# Altium PCB PCB1.PcbDoc
Units mil, origin at the board's own origin, x right, y up, seen from the top; angles counter-clockwise.
Board outline 6000 x 4000 mil, 4 copper layers (Top Layer, GND, PWR, Bottom Layer), stack 68.378 mil thick; 74 components, 116 nets, 581 pads, 0 vias.
Unrouted connection lines stored in the file: 315.
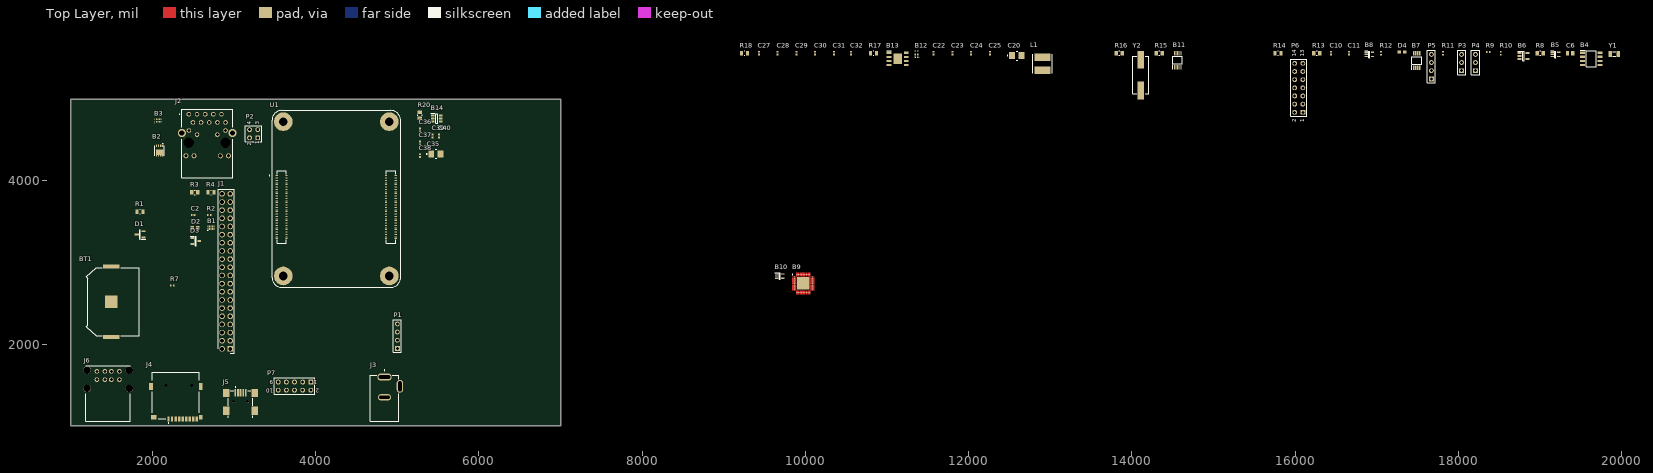
[diagram p0: Top Layer view]
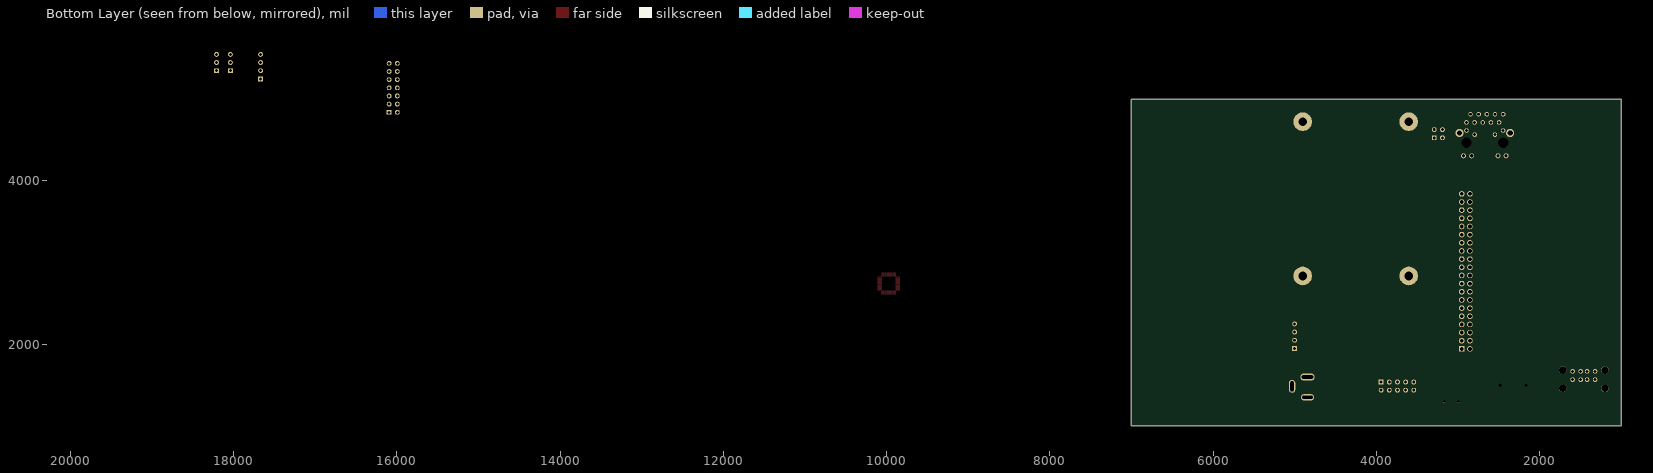
[diagram p1: Bottom Layer view, seen from below]

## Layer stack, top to bottom
Top Solder: solder mask 0.4, Solder Resist, Dk 3.5
Top Layer: signal copper 1.4
Dielectric 2: prepreg 7.1, PP-017, Dk 4.16
GND: signal copper 0.689
Dielectric 1: core 50, Core-022, Dk 4.1
PWR: signal copper 0.689
Dielectric 3: prepreg 7.1, PP-017, Dk 4.16
Bottom Layer: signal copper 1.4
Bottom Solder: solder mask 0.4, Solder Resist, Dk 3.5

## Board outline
1000,1000 7000,1000 7000,5000 1000,5000

## Design rules (kind name [scope] priority, off if disabled: settings)
Clearance [All] p1: gap=7 ignorepadtopadclearanceinfootprint=TRUE
PolygonConnect [All] p1: connectstyle=Relief reliefconductorwidth=10 reliefentries=4 polygonreliefangle="90 Angle" airgapwidth=10
RoutingVias [All] p1: holewidth=12 width=25 viastyle="Through Hole" minholewidth=12 minwidth=25 maxholewidth=12 maxwidth=25
SolderMaskExpansion [All] p1: expansion=0 istentingtop=FALSE
SupplyNets "Schematic Supply Nets" [InNet('5 V')] p1: voltage=0.000
Width [All] p1: maxlimit=12.61 minlimit=8.8 preferedwidth=12.83 toplayer_minwidth=12.61 midlayer1_maxwidth=8.8 midlayer1_prefwidth=9.91 midlayer2_maxwidth=8.8 midlayer2_prefwidth=9.91 bottomlayer_minwidth=12.61 impedanceprofiledriven=TRUE impedanceprofileid={C85D5BF1-4168-4FEC-96EB-73B0E926272F} minimp=50.000000 maximp=50.000000 favimp=50.000000
30 further rules are at their usual default settings.

## Components (designator, comment, footprint, x,y, rotation, side; value= is the part's Value field where it differs from the comment)
B1 "TPD4EUSB30DQAR" DQA(R-PUSON-N10) 2716.54,3425.2 r0 top
B2 "DMP3013SFV-7" DMP3036SFV7 2086.61,4370.08 r180 top
B3 "TPD4EUSB30DQAR" DQA(R-PUSON-N10) 2066.93,4739.57 r0 top
B4 "PCF85063AT_AAZ" SOIC127P600X175-8N 19630,5495 r0 top
B5 "74LVC1G07SE-7" SOT65P210X110-5N 19190,5550 r0 top
B6 "RT9742GGJ5" SOT94P280X100-5N 18800,5530 r0 top
B7 "EMC2301-1-ACZL-TR" SOP65P490X110-8N 17490,5475 r90 top
B8 "74LVC1G07SE-7" SOT65P210X110-5N 16910,5550 r0 top
B9 "USB2514B-I_M2" QFN50P600X600X100-37N-D 9973.82,2743.46 r0 top
B10 "74LVC1G07SE-7" SOT65P210X110-5N 9683.82,2833.46 r0 top
B11 "FSUSB42MUX" SOP50P490X110-10N 14560,5480 r90 top
B12 "TPD4EUSB30DQAR" DQA(R-PUSON-N10) 11360,5550 r90 top
B13 "AP64501SP-13" SOIC127P600X163-9N 11130,5495 r0 top
B14 "AP22653W6-7" SOT95P280X145-6N 5482.28,4763.78 r0 top
BT1 "3034" BAT_3034 1496.06,2519.68 r90 top
C2 "10  u" CAPC1005X55N 2497.52,3582.68 r0 top
C6 "10 u" CAPC2012X145N 19370,5565 r0 top
C10 "10  u" CAPC1005X55N 16440,5565 r90 top
C11 "10  u" CAPC1005X55N 16660,5565 r90 top
C20 "100 uf  6.3 V" CAPMP3528X210N 12590,5535 r0 top
C22 "10  u" CAPC1005X55N 11570,5565 r90 top
C23 "10  u" CAPC1005X55N 11800,5565 r90 top
C24 "10  u" CAPC1005X55N 12030,5565 r90 top
C25 "10  u" CAPC1005X55N 12260,5565 r90 top
C27 "10  u" CAPC1005X55N 9430,5565 r90 top
C28 "10  u" CAPC1005X55N 9660,5565 r90 top
C29 "10  u" CAPC1005X55N 9890,5565 r90 top
C30 "10  u" CAPC1005X55N 10120,5565 r90 top
C31 "10  u" CAPC1005X55N 10350,5565 r90 top
C32 "10  u" CAPC1005X55N 10560,5565 r90 top
C35 "100 uf  6.3 V" CAPMP3528X210N 5472.44,4330.71 r0 top
C36 "10  u" CAPC1005X55N 5275.59,4623.5 r90 top
C37 "10  u" CAPC1005X55N 5275.59,4466.02 r90 top
C38 "10  u" CAPC1005X55N 5275.59,4308.54 r90 top
C39 "10  u" CAPC1005X55N 5433.07,4549.72 r270 top
C40 "10  u" CAPC1005X55N 5511.81,4549.72 r270 top
D1 "MMBZ5242BLT3G" SOT96P237X111-3N 1848.43,3344.68 r180 top
D2 "green led" 0603 2519.68,3425.2 r0 top
D3 "BAT54C-7-F" SOT96P240X115-3N 2529.07,3263.2 r0 top
D4 "red led" 0603 17310,5580 r0 top
J1 "THD-20-R" HDRV40W66P254_2X20_5080X500X890P 2952.76,1940.94 r90 top
J2 "MAGJACK-A70-112-331N126" MAGJACKA70112331N126 2445.28,4816.14 r0 top
J3 "DCJ200-10-A-XX-K_REVA" GCT_DCJ200-10-A-XX-K_REVA 4842.52,1338.58 r0 top
J4 "MICRO-SD-CARD" MICROSDCARD 2285.43,1352.36 r180 top
J5 "690-005-299-043" EDAC_690-005-299-043 3078.74,1299.21 r0 top
J6 "67298-4090" MOLEX_67298-4090 1456.69,1456.69 r0 top
L1 "SRN6045TA-3R3Y" SRN6045TA330M 12905,5435 r0 top
P1 "Header 4" HDR1X4 5000,1947.24 r90 top
P2 "Header 2X2" HDR2X2 3288.98,4527.56 r90 top
P3 "Header 3" HDR1X3 18040,5350 r90 top
P4 "Header 3" HDR1X3 18210,5350 r90 top
P5 "Header 4" HDR1X4 17670,5250 r90 top
P6 "Header 7X2" HDR2X7 16095,4840 r90 top
P7 "Header 5X2" HDR2X5 3940.16,1535.43 r180 top
R1 "12 K" RESC2012X65N 1847.83,3622.05 r0 top
R2 "1 k" RESC1005X35N 2695.16,3582.68 r0 top
R3 "470 ohm" RESC2012X65N 2517.13,3858.27 r0 top
R4 "470 ohm" RESC2012X65N 2716.54,3858.27 r0 top
R7 "1 k" RESC1005X35N 2244.09,2716.54 r0 top
R8 "12 k" RESC2012X65N 19005,5565 r0 top
R9 "510 K" RESC1005X35N 18365,5580 r0 top
R10 "510 K" RESC1005X35N 18520,5565 r90 top
R11 "36 K" RESC1005X35N 17810,5565 r90 top
R12 "1 k" RESC1005X35N 17050,5565 r90 top
R13 "12 k" RESC2012X65N 16265,5565 r0 top
R14 "2.2 k" RESC2012X65N 15790,5565 r0 top
R15 "2.2 k" RESC2012X65N 14335,5565 r0 top
R16 "10" RESC2012X65N 13845,5565 r0 top
R17 "12 k" RESC2012X65N 10835,5565 r0 top
R18 "20 K" RESC2012X65N 9255,5565 r0 top
R20 "15 k" RESC2012X65N 5275.59,4803.15 r90 top
U1 "CM4102008" MODULE_CM4102008 4251.97,3779.53 r90 top
Y1 "CM7V-T1A-32.768KHZ-12.5PF-10PPM-TB-QC" XTAL_CM7V-T1A-32.768KHZ-12.5PF-10PPM-TB-QC 19910,5555 r0 top
Y2 "FOXSDLF/240F-20" XTAL_FOXSDLF/240F-20 14110,5295 r90 top

## Footprints (in the part's own frame and the unit in brackets; to place one, negate y for a bottom-side part, rotate by r counter-clockwise, add the part's x,y. Pads: shape width x height; smd on the part's side, far side on the other; paste and mask are expansions set on the pad)
0603 [mm]
  rect 1.1x1 smd: 1(-0.85,0) 2(0.85,0)
BAT_3034 [mm]
  rect 3.96x3.96 smd paste-3: N(0,0)
  rect 1.27x5.08 smd: P1(-10.985,0) P2(10.985,0)
  silkscreen extent -10.61,-8.73 10.61,7.74, body extent -11.49,-9.27 11.75,7.21, height 4.06
CAPC1005X55N [mm]
  rect 0.53x0.6 smd: 1(-0.437,0) 2(0.437,0)
  body extent -0.5,-0.25 0.5,0.25, height 0.55
CAPC2012X145N [mm]
  rect 0.97x1.47 smd: 1(-0.83,0) 2(0.83,0)
  body extent -1,-0.63 1,0.63, height 1.45
CAPMP3528X210N [mm]
  rect 1.79x2.21 smd: 1(-1.46,0) 2(1.46,0)
  silkscreen extent -2.95,-1.4 0.25,1.4, body extent -1.75,-1.4 1.75,1.4, height 2.1
DMP3036SFV7 [mm]
  rect 0.42x0.7 smd: 1(-0.975,-1.5) 2(-0.325,-1.5) 3(0.325,-1.5) 4(0.975,-1.5)
  rect 0.42x0.54 smd: 5(0.975,1.58) 6(0.325,1.58) 7(-0.325,1.58) 8(-0.975,1.58)
  rect 2.37x1.71 smd: 9(0,0.455)
  silkscreen extent -1.53,-2.3 1.53,1.53, body extent -1.65,-1.65 1.65,1.65, height 0.75
DQA(R-PUSON-N10) [mm]
  rect 0.3x0.55 smd: 1(-1,-0.385) 2(-0.5,-0.385) 4(0.5,-0.385) 5(1,-0.385) 6(1,0.385) 7(0.5,0.385) 9(-0.5,0.385) 10(-1,0.385)
  rect 0.4x0.55 smd: 3(0,-0.385) 8(0,0.385)
  silkscreen extent -1.03,-0.86 -0.99,-0.82, body extent -1.25,-0.5 1.25,0.5, height 0.55
EDAC_690-005-299-043 [mm]
  rect 0.5x2.3 smd: 1(-1.6,2.65) 2(-0.8,2.65) 3(0,2.65) 4(0.8,2.65) 5(1.6,2.65)
  rect 2x2.5 smd: S1(-4.45,2.55) S2(4.45,2.55) S3(4.45,-2.95) S4(-4.45,-2.95)
  round 0.9 hole 0.9 unplated: ""(-2.2,0) ""(2.2,0)
  silkscreen extent -3.75,-5.2 3.75,4.5, body extent -4.62,-5.9 4.62,3.3, height 3.98
GCT_DCJ200-10-A-XX-K_REVA [mm]
  oval 4.4x2.2 hole 1 slot 3.6 at 0 deg: 1(0,6.55)
  oval 4x2 hole 1 slot 3.2 at 0 deg: 2(0,0.25)
  oval 2x4 hole 1 slot 3.2 at 90 deg: 3(4.8,3.65)
  silkscreen extent -4.5,-7.15 4.5,8.75, body extent -4.5,-7.15 5.05,7.15, height 11
HDR1X3 [mm] "Connector; Header; 3 Position"
  rect 1.5x1.5 hole 0.9: 1(0,0)
  round 1.5 hole 0.9: 2(2.54,0) 3(5.08,0)
  silkscreen extent -1.27,-1.27 6.35,1.27
HDR1X4 [mm] "Connector; Header; 4 Position"
  rect 1.5x1.5 hole 0.9: 1(0,0)
  round 1.5 hole 0.9: 2(2.54,0) 3(5.08,0) 4(7.62,0)
  silkscreen extent -1.27,-1.27 8.89,1.27
HDR2X2 [mm] "Connector; Header; 2x2 Position"
  rect 1.5x1.5 hole 0.9: 1(0,0)
  round 1.5 hole 0.9: 2(0,2.54) 3(2.54,0) 4(2.54,2.54)
  silkscreen extent -1.27,-1.27 3.81,3.81
HDR2X5 [mm] "Connector; Header; 5x2 Position"
  rect 1.5x1.5 hole 0.9: 1(0,0)
  round 1.5 hole 0.9: 2(0,2.54) 3(2.54,0) 4(2.54,2.54) 5(5.08,0) 6(5.08,2.54) 7(7.62,0) 8(7.62,2.54) 9(10.16,0) 10(10.16,2.54)
  silkscreen extent -1.27,-1.27 11.43,3.81
HDR2X7 [mm] "Connector; Header; 7x2 Position"
  rect 1.5x1.5 hole 0.9: 1(0,0)
  round 1.5 hole 0.9: 2(0,2.54) 3(2.54,0) 4(2.54,2.54) 5(5.08,0) 6(5.08,2.54) 7(7.62,0) 8(7.62,2.54) 9(10.16,0) 10(10.16,2.54) 11(12.7,0) 12(12.7,2.54) 13(15.24,0) 14(15.24,2.54)
  silkscreen extent -1.27,-1.27 16.51,3.81
HDRV40W66P254_2X20_5080X500X890P [mm]
  rect 1.725x1.725 / inner round 1.725 / far side rect 1.725x1.725 hole 1.15: 1(0,0)
  round 1.725 hole 1.15: 2(0,2.54) 3(2.54,0) 4(2.54,2.54) 5(5.08,0) 6(5.08,2.54) 7(7.62,0) 8(7.62,2.54) 9(10.16,0) 10(10.16,2.54) 11(12.7,0) 12(12.7,2.54) 13(15.24,0) 14(15.24,2.54) 15(17.78,0) 16(17.78,2.54) 17(20.32,0) 18(20.32,2.54) 19(22.86,0) 20(22.86,2.54) 21(25.4,0) 22(25.4,2.54) 23(27.94,0) 24(27.94,2.54) 25(30.48,0) 26(30.48,2.54) 27(33.02,0) 28(33.02,2.54) 29(35.56,0) 30(35.56,2.54) 31(38.1,0) 32(38.1,2.54) 33(40.64,0) 34(40.64,2.54) 35(43.18,0) 36(43.18,2.54) 37(45.72,0) 38(45.72,2.54) 39(48.26,0) 40(48.26,2.54)
  silkscreen extent -1.42,-1.23 49.68,3.77, body extent -1.27,-1.23 49.53,3.77, height 8.9
MAGJACKA70112331N126 [mm]
  round 1.4 hole 0.9: 1(0,0) 2(1.27,-2.54) 3(2.54,0) 4(3.81,-2.54) 5(5.08,0) 6(6.35,-2.54) 7(7.62,0) 8(8.89,-2.54) 9(10.16,0) 10(11.43,-2.54) 11(0,-5.06) 12(2.54,-6.33) 13(8.89,-6.33) 14(11.43,-5.06)
  round 1.53 hole 1.02: 15(-0.915,-12.95) 16(1.625,-12.95) 17(9.805,-12.95) 18(12.345,-12.95)
  round 2.55 hole 1.7: MH1(-2.16,-5.84) MH2(13.59,-5.84)
  round 1.6 hole 3.2 unplated: MH3(0,-8.89) MH4(11.43,-8.89)
  silkscreen extent -3,-19.75 13.68,1.56, body extent -2.91,-19.69 14.34,1.56, height 13.4
MICROSDCARD [mm]
  rect 0.7x1.6 smd: 1(2.25,6.85) 2(1.15,6.85) 3(0.05,6.85) 4(-1.05,6.85) 5(-2.15,6.85) 6(-3.25,6.85) 7(-4.35,6.85) 8(-5.45,6.85) CD1(-6.55,6.85)
  rect 1.2x1.4 smd: G1(-7.75,6.35)
  round 0.5 hole 1 unplated: MH1(3.05,-3.65) MH2(-4.95,-3.65)
  rect 1.6x1.4 smd: MP1(6.85,6.35)
  rect 1.2x2.2 smd: MP2(7.75,-3.25) MP3(-7.75,-3.25)
  silkscreen extent -7.35,-7.65 7.35,8.15, body extent -8.45,-7.66 7.95,7.36, height 1.85
MODULE_CM4102008 [mm]
  rect 0.2x0.7 smd: 1(7.3,18.54) 2(7.3,15.46) 3(6.9,18.54) 4(6.9,15.46) 5(6.5,18.54) 6(6.5,15.46) 7(6.1,18.54) 8(6.1,15.46) 9(5.7,18.54) 10(5.7,15.46) 11(5.3,18.54) 12(5.3,15.46) 13(4.9,18.54) 14(4.9,15.46) 15(4.5,18.54) 16(4.5,15.46) 17(4.1,18.54) 18(4.1,15.46) 19(3.7,18.54) 20(3.7,15.46) 21(3.3,18.54) 22(3.3,15.46) 23(2.9,18.54) 24(2.9,15.46) 25(2.5,18.54) 26(2.5,15.46) 27(2.1,18.54) 28(2.1,15.46) 29(1.7,18.54) 30(1.7,15.46) 31(1.3,18.54) 32(1.3,15.46) 33(0.9,18.54) 34(0.9,15.46) 35(0.5,18.54) 36(0.5,15.46) 37(0.1,18.54) 38(0.1,15.46) 39(-0.3,18.54) 40(-0.3,15.46) 41(-0.7,18.54) 42(-0.7,15.46) 43(-1.1,18.54) 44(-1.1,15.46) 45(-1.5,18.54) 46(-1.5,15.46) 47(-1.9,18.54) 48(-1.9,15.46) 49(-2.3,18.54) 50(-2.3,15.46) 51(-2.7,18.54) 52(-2.7,15.46) 53(-3.1,18.54) 54(-3.1,15.46) 55(-3.5,18.54) 56(-3.5,15.46) 57(-3.9,18.54) 58(-3.9,15.46) 59(-4.3,18.54) 60(-4.3,15.46) 61(-4.7,18.54) 62(-4.7,15.46) 63(-5.1,18.54) 64(-5.1,15.46) 65(-5.5,18.54) 66(-5.5,15.46) 67(-5.9,18.54) 68(-5.9,15.46) 69(-6.3,18.54) 70(-6.3,15.46) 71(-6.7,18.54) 72(-6.7,15.46) 73(-7.1,18.54) 74(-7.1,15.46) 75(-7.5,18.54) 76(-7.5,15.46) 77(-7.9,18.54) 78(-7.9,15.46) 79(-8.3,18.54) 80(-8.3,15.46) 81(-8.7,18.54) 82(-8.7,15.46) 83(-9.1,18.54) 84(-9.1,15.46) 85(-9.5,18.54) 86(-9.5,15.46) 87(-9.9,18.54) 88(-9.9,15.46) 89(-10.3,18.54) 90(-10.3,15.46) 91(-10.7,18.54) 92(-10.7,15.46) 93(-11.1,18.54) 94(-11.1,15.46) 95(-11.5,18.54) 96(-11.5,15.46) 97(-11.9,18.54) 98(-11.9,15.46) 99(-12.3,18.54) 100(-12.3,15.46) 101(7.3,-15.46) 102(7.3,-18.54) 103(6.9,-15.46) 104(6.9,-18.54) 105(6.5,-15.46) 106(6.5,-18.54) 107(6.1,-15.46) 108(6.1,-18.54) 109(5.7,-15.46) 110(5.7,-18.54) 111(5.3,-15.46) 112(5.3,-18.54) 113(4.9,-15.46) 114(4.9,-18.54) 115(4.5,-15.46) 116(4.5,-18.54) 117(4.1,-15.46) 118(4.1,-18.54) 119(3.7,-15.46) 120(3.7,-18.54) 121(3.3,-15.46) 122(3.3,-18.54) 123(2.9,-15.46) 124(2.9,-18.54) 125(2.5,-15.46) 126(2.5,-18.54) 127(2.1,-15.46) 128(2.1,-18.54) 129(1.7,-15.46) 130(1.7,-18.54) 131(1.3,-15.46) 132(1.3,-18.54) 133(0.9,-15.46) 134(0.9,-18.54) 135(0.5,-15.46) 136(0.5,-18.54) 137(0.1,-15.46) 138(0.1,-18.54) 139(-0.3,-15.46) 140(-0.3,-18.54) 141(-0.7,-15.46) 142(-0.7,-18.54) 143(-1.1,-15.46) 144(-1.1,-18.54) 145(-1.5,-15.46) 146(-1.5,-18.54) 147(-1.9,-15.46) 148(-1.9,-18.54) 149(-2.3,-15.46) 150(-2.3,-18.54) 151(-2.7,-15.46) 152(-2.7,-18.54) 153(-3.1,-15.46) 154(-3.1,-18.54) 155(-3.5,-15.46) 156(-3.5,-18.54) 157(-3.9,-15.46) 158(-3.9,-18.54) 159(-4.3,-15.46) 160(-4.3,-18.54) 161(-4.7,-15.46) 162(-4.7,-18.54) 163(-5.1,-15.46) 164(-5.1,-18.54) 165(-5.5,-15.46) 166(-5.5,-18.54) 167(-5.9,-15.46) 168(-5.9,-18.54) 169(-6.3,-15.46) 170(-6.3,-18.54) 171(-6.7,-15.46) 172(-6.7,-18.54) 173(-7.1,-15.46) 174(-7.1,-18.54) 175(-7.5,-15.46) 176(-7.5,-18.54) 177(-7.9,-15.46) 178(-7.9,-18.54) 179(-8.3,-15.46) 180(-8.3,-18.54) 181(-8.7,-15.46) 182(-8.7,-18.54) 183(-9.1,-15.46) 184(-9.1,-18.54) 185(-9.5,-15.46) 186(-9.5,-18.54) 187(-9.9,-15.46) 188(-9.9,-18.54) 189(-10.3,-15.46) 190(-10.3,-18.54) 191(-10.7,-15.46) 192(-10.7,-18.54) 193(-11.1,-15.46) 194(-11.1,-18.54) 195(-11.5,-15.46) 196(-11.5,-18.54) 197(-11.9,-15.46) 198(-11.9,-18.54) 199(-12.3,-15.46) 200(-12.3,-18.54)
  round 5.8 hole 2.7: SH1(-24,16.5) SH2(24,16.5) SH3(-24,-16.5) SH4(24,-16.5)
  silkscreen extent -27.5,-20 27.5,20.85, body extent -27.5,-20 27.5,20, height 3.69
MOLEX_67298-4090 [mm]
  round 1.428 hole 0.92: 1(-3.5,5.33) 2(-1,5.33) 3(1,5.33) 4(3.5,5.33) 5(-3.5,2.71) 6(-1,2.71) 7(1,2.71) 8(3.5,2.71)
  round 2.3 hole 2.3 unplated: ""(-6.57,0) ""(-6.57,5.68) ""(6.57,0) ""(6.57,5.68)
  silkscreen extent -6.95,-10.28 6.95,7.02, body extent -7.66,-11.24 7.66,6.62, height 16.18
QFN50P600X600X100-37N-D [mm]
  round 0.3 smd: 1(-2.8,2) 2(-2.8,1.5) 3(-2.8,1) 4(-2.8,0.5) 5(-2.8,0) 6(-2.8,-0.5) 7(-2.8,-1) 8(-2.8,-1.5) 9(-2.8,-2) 10(-2,-2.8) 11(-1.5,-2.8) 12(-1,-2.8) 13(-0.5,-2.8) 14(0,-2.8) 15(0.5,-2.8) 16(1,-2.8) 17(1.5,-2.8) 18(2,-2.8) 19(2.8,-2) 20(2.8,-1.5) 21(2.8,-1) 22(2.8,-0.5) 23(2.8,0) 24(2.8,0.5) 25(2.8,1) 26(2.8,1.5) 27(2.8,2) 28(2,2.8) 29(1.5,2.8) 30(1,2.8) 31(0.5,2.8) 32(0,2.8) 33(-0.5,2.8) 34(-1,2.8) 35(-1.5,2.8) 36(-2,2.8)
  rrect0% 3.85x3.85 smd: 37(0,0)
  Top Layer region: -3.375,2.15 -2.375,2.151 -2.336,2.146 -2.299,2.131 -2.268,2.107 -2.244,2.076 -2.229,2.039 -2.224,2 -2.229,1.961 -2.244,1.924 -2.268,1.893 -2.299,1.869 -2.336,1.854 -2.375,1.849 -2.375,1.85 -3.375,1.85 -3.375,2.15
  Top Layer region: -3.375,1.65 -2.375,1.651 -2.336,1.646 -2.299,1.631 -2.268,1.607 -2.244,1.576 -2.229,1.539 -2.224,1.5 -2.229,1.461 -2.244,1.424 -2.268,1.393 -2.299,1.369 -2.336,1.354 -2.375,1.349 -2.375,1.35 -3.375,1.35 -3.375,1.65
  Top Layer region: -3.375,1.15 -2.375,1.151 -2.336,1.146 -2.299,1.131 -2.268,1.107 -2.244,1.076 -2.229,1.039 -2.224,1 -2.229,0.961 -2.244,0.924 -2.268,0.893 -2.299,0.869 -2.336,0.854 -2.375,0.849 -2.375,0.85 -3.375,0.85 -3.375,1.15
  Top Layer region: -3.375,0.65 -2.375,0.651 -2.336,0.646 -2.299,0.631 -2.268,0.607 -2.244,0.576 -2.229,0.539 -2.224,0.5 -2.229,0.461 -2.244,0.424 -2.268,0.393 -2.299,0.369 -2.336,0.354 -2.375,0.349 -2.375,0.35 -3.375,0.35 -3.375,0.65
  Top Layer region: -3.375,0.15 -2.375,0.151 -2.336,0.146 -2.299,0.131 -2.268,0.107 -2.244,0.076 -2.229,0.039 -2.224,0 -2.229,-0.039 -2.244,-0.076 -2.268,-0.107 -2.299,-0.131 -2.336,-0.146 -2.375,-0.151 -2.375,-0.15 -3.375,-0.15 -3.375,0.15
  Top Layer region: -3.375,-0.35 -2.375,-0.349 -2.336,-0.354 -2.299,-0.369 -2.268,-0.393 -2.244,-0.424 -2.229,-0.461 -2.224,-0.5 -2.229,-0.539 -2.244,-0.576 -2.268,-0.607 -2.299,-0.631 -2.336,-0.646 -2.375,-0.651 -2.375,-0.65 -3.375,-0.65 -3.375,-0.35
  Top Layer region: -3.375,-0.85 -2.375,-0.849 -2.336,-0.854 -2.299,-0.869 -2.268,-0.893 -2.244,-0.924 -2.229,-0.961 -2.224,-1 -2.229,-1.039 -2.244,-1.076 -2.268,-1.107 -2.299,-1.131 -2.336,-1.146 -2.375,-1.151 -2.375,-1.15 -3.375,-1.15 -3.375,-0.85
  Top Layer region: -3.375,-1.35 -2.375,-1.349 -2.336,-1.354 -2.299,-1.369 -2.268,-1.393 -2.244,-1.424 -2.229,-1.461 -2.224,-1.5 -2.229,-1.539 -2.244,-1.576 -2.268,-1.607 -2.299,-1.631 -2.336,-1.646 -2.375,-1.651 -2.375,-1.65 -3.375,-1.65 -3.375,-1.35
  Top Layer region: -3.375,-1.85 -2.375,-1.849 -2.336,-1.854 -2.299,-1.869 -2.268,-1.893 -2.244,-1.924 -2.229,-1.961 -2.224,-2 -2.229,-2.039 -2.244,-2.076 -2.268,-2.107 -2.299,-2.131 -2.336,-2.146 -2.375,-2.151 -2.375,-2.15 -3.375,-2.15 -3.375,-1.85
  Top Layer region: -2.15,-3.375 -2.151,-2.375 -2.146,-2.336 -2.131,-2.299 -2.107,-2.268 -2.076,-2.244 -2.039,-2.229 -2,-2.224 -1.961,-2.229 -1.924,-2.244 -1.893,-2.268 -1.869,-2.299 -1.854,-2.336 -1.849,-2.375 -1.85,-2.375 -1.85,-3.375 -2.15,-3.375
  Top Layer region: -1.65,-3.375 -1.651,-2.375 -1.646,-2.336 -1.631,-2.299 -1.607,-2.268 -1.576,-2.244 -1.539,-2.229 -1.5,-2.224 -1.461,-2.229 -1.424,-2.244 -1.393,-2.268 -1.369,-2.299 -1.354,-2.336 -1.349,-2.375 -1.35,-2.375 -1.35,-3.375 -1.65,-3.375
  Top Layer region: -1.15,-3.375 -1.151,-2.375 -1.146,-2.336 -1.131,-2.299 -1.107,-2.268 -1.076,-2.244 -1.039,-2.229 -1,-2.224 -0.961,-2.229 -0.924,-2.244 -0.893,-2.268 -0.869,-2.299 -0.854,-2.336 -0.849,-2.375 -0.85,-2.375 -0.85,-3.375 -1.15,-3.375
  Top Layer region: -0.65,-3.375 -0.651,-2.375 -0.646,-2.336 -0.631,-2.299 -0.607,-2.268 -0.576,-2.244 -0.539,-2.229 -0.5,-2.224 -0.461,-2.229 -0.424,-2.244 -0.393,-2.268 -0.369,-2.299 -0.354,-2.336 -0.349,-2.375 -0.35,-2.375 -0.35,-3.375 -0.65,-3.375
  Top Layer region: -0.15,-3.375 -0.151,-2.375 -0.146,-2.336 -0.131,-2.299 -0.107,-2.268 -0.076,-2.244 -0.039,-2.229 0,-2.224 0.039,-2.229 0.076,-2.244 0.107,-2.268 0.131,-2.299 0.146,-2.336 0.151,-2.375 0.15,-2.375 0.15,-3.375 -0.15,-3.375
  Top Layer region: 0.35,-3.375 0.349,-2.375 0.354,-2.336 0.369,-2.299 0.393,-2.268 0.424,-2.244 0.461,-2.229 0.5,-2.224 0.539,-2.229 0.576,-2.244 0.607,-2.268 0.631,-2.299 0.646,-2.336 0.651,-2.375 0.65,-2.375 0.65,-3.375 0.35,-3.375
  Top Layer region: 0.85,-3.375 0.849,-2.375 0.854,-2.336 0.869,-2.299 0.893,-2.268 0.924,-2.244 0.961,-2.229 1,-2.224 1.039,-2.229 1.076,-2.244 1.107,-2.268 1.131,-2.299 1.146,-2.336 1.151,-2.375 1.15,-2.375 1.15,-3.375 0.85,-3.375
  Top Layer region: 1.35,-3.375 1.349,-2.375 1.354,-2.336 1.369,-2.299 1.393,-2.268 1.424,-2.244 1.461,-2.229 1.5,-2.224 1.539,-2.229 1.576,-2.244 1.607,-2.268 1.631,-2.299 1.646,-2.336 1.651,-2.375 1.65,-2.375 1.65,-3.375 1.35,-3.375
  Top Layer region: 1.85,-3.375 1.849,-2.375 1.854,-2.336 1.869,-2.299 1.893,-2.268 1.924,-2.244 1.961,-2.229 2,-2.224 2.039,-2.229 2.076,-2.244 2.107,-2.268 2.131,-2.299 2.146,-2.336 2.151,-2.375 2.15,-2.375 2.15,-3.375 1.85,-3.375
  Top Layer region: 3.375,-2.15 2.375,-2.151 2.336,-2.146 2.299,-2.131 2.268,-2.107 2.244,-2.076 2.229,-2.039 2.224,-2 2.229,-1.961 2.244,-1.924 2.268,-1.893 2.299,-1.869 2.336,-1.854 2.375,-1.849 2.375,-1.85 3.375,-1.85 3.375,-2.15
  Top Layer region: 3.375,-1.65 2.375,-1.651 2.336,-1.646 2.299,-1.631 2.268,-1.607 2.244,-1.576 2.229,-1.539 2.224,-1.5 2.229,-1.461 2.244,-1.424 2.268,-1.393 2.299,-1.369 2.336,-1.354 2.375,-1.349 2.375,-1.35 3.375,-1.35 3.375,-1.65
  Top Layer region: 3.375,-1.15 2.375,-1.151 2.336,-1.146 2.299,-1.131 2.268,-1.107 2.244,-1.076 2.229,-1.039 2.224,-1 2.229,-0.961 2.244,-0.924 2.268,-0.893 2.299,-0.869 2.336,-0.854 2.375,-0.849 2.375,-0.85 3.375,-0.85 3.375,-1.15
  Top Layer region: 3.375,-0.65 2.375,-0.651 2.336,-0.646 2.299,-0.631 2.268,-0.607 2.244,-0.576 2.229,-0.539 2.224,-0.5 2.229,-0.461 2.244,-0.424 2.268,-0.393 2.299,-0.369 2.336,-0.354 2.375,-0.349 2.375,-0.35 3.375,-0.35 3.375,-0.65
  Top Layer region: 3.375,-0.15 2.375,-0.151 2.336,-0.146 2.299,-0.131 2.268,-0.107 2.244,-0.076 2.229,-0.039 2.224,0 2.229,0.039 2.244,0.076 2.268,0.107 2.299,0.131 2.336,0.146 2.375,0.151 2.375,0.15 3.375,0.15 3.375,-0.15
  Top Layer region: 3.375,0.35 2.375,0.349 2.336,0.354 2.299,0.369 2.268,0.393 2.244,0.424 2.229,0.461 2.224,0.5 2.229,0.539 2.244,0.576 2.268,0.607 2.299,0.631 2.336,0.646 2.375,0.651 2.375,0.65 3.375,0.65 3.375,0.35
  Top Layer region: 3.375,0.85 2.375,0.849 2.336,0.854 2.299,0.869 2.268,0.893 2.244,0.924 2.229,0.961 2.224,1 2.229,1.039 2.244,1.076 2.268,1.107 2.299,1.131 2.336,1.146 2.375,1.151 2.375,1.15 3.375,1.15 3.375,0.85
  Top Layer region: 3.375,1.35 2.375,1.349 2.336,1.354 2.299,1.369 2.268,1.393 2.244,1.424 2.229,1.461 2.224,1.5 2.229,1.539 2.244,1.576 2.268,1.607 2.299,1.631 2.336,1.646 2.375,1.651 2.375,1.65 3.375,1.65 3.375,1.35
  Top Layer region: 3.375,1.85 2.375,1.849 2.336,1.854 2.299,1.869 2.268,1.893 2.244,1.924 2.229,1.961 2.224,2 2.229,2.039 2.244,2.076 2.268,2.107 2.299,2.131 2.336,2.146 2.375,2.151 2.375,2.15 3.375,2.15 3.375,1.85